# KiCad board OLD_PCB.kicad_pcb (continued)
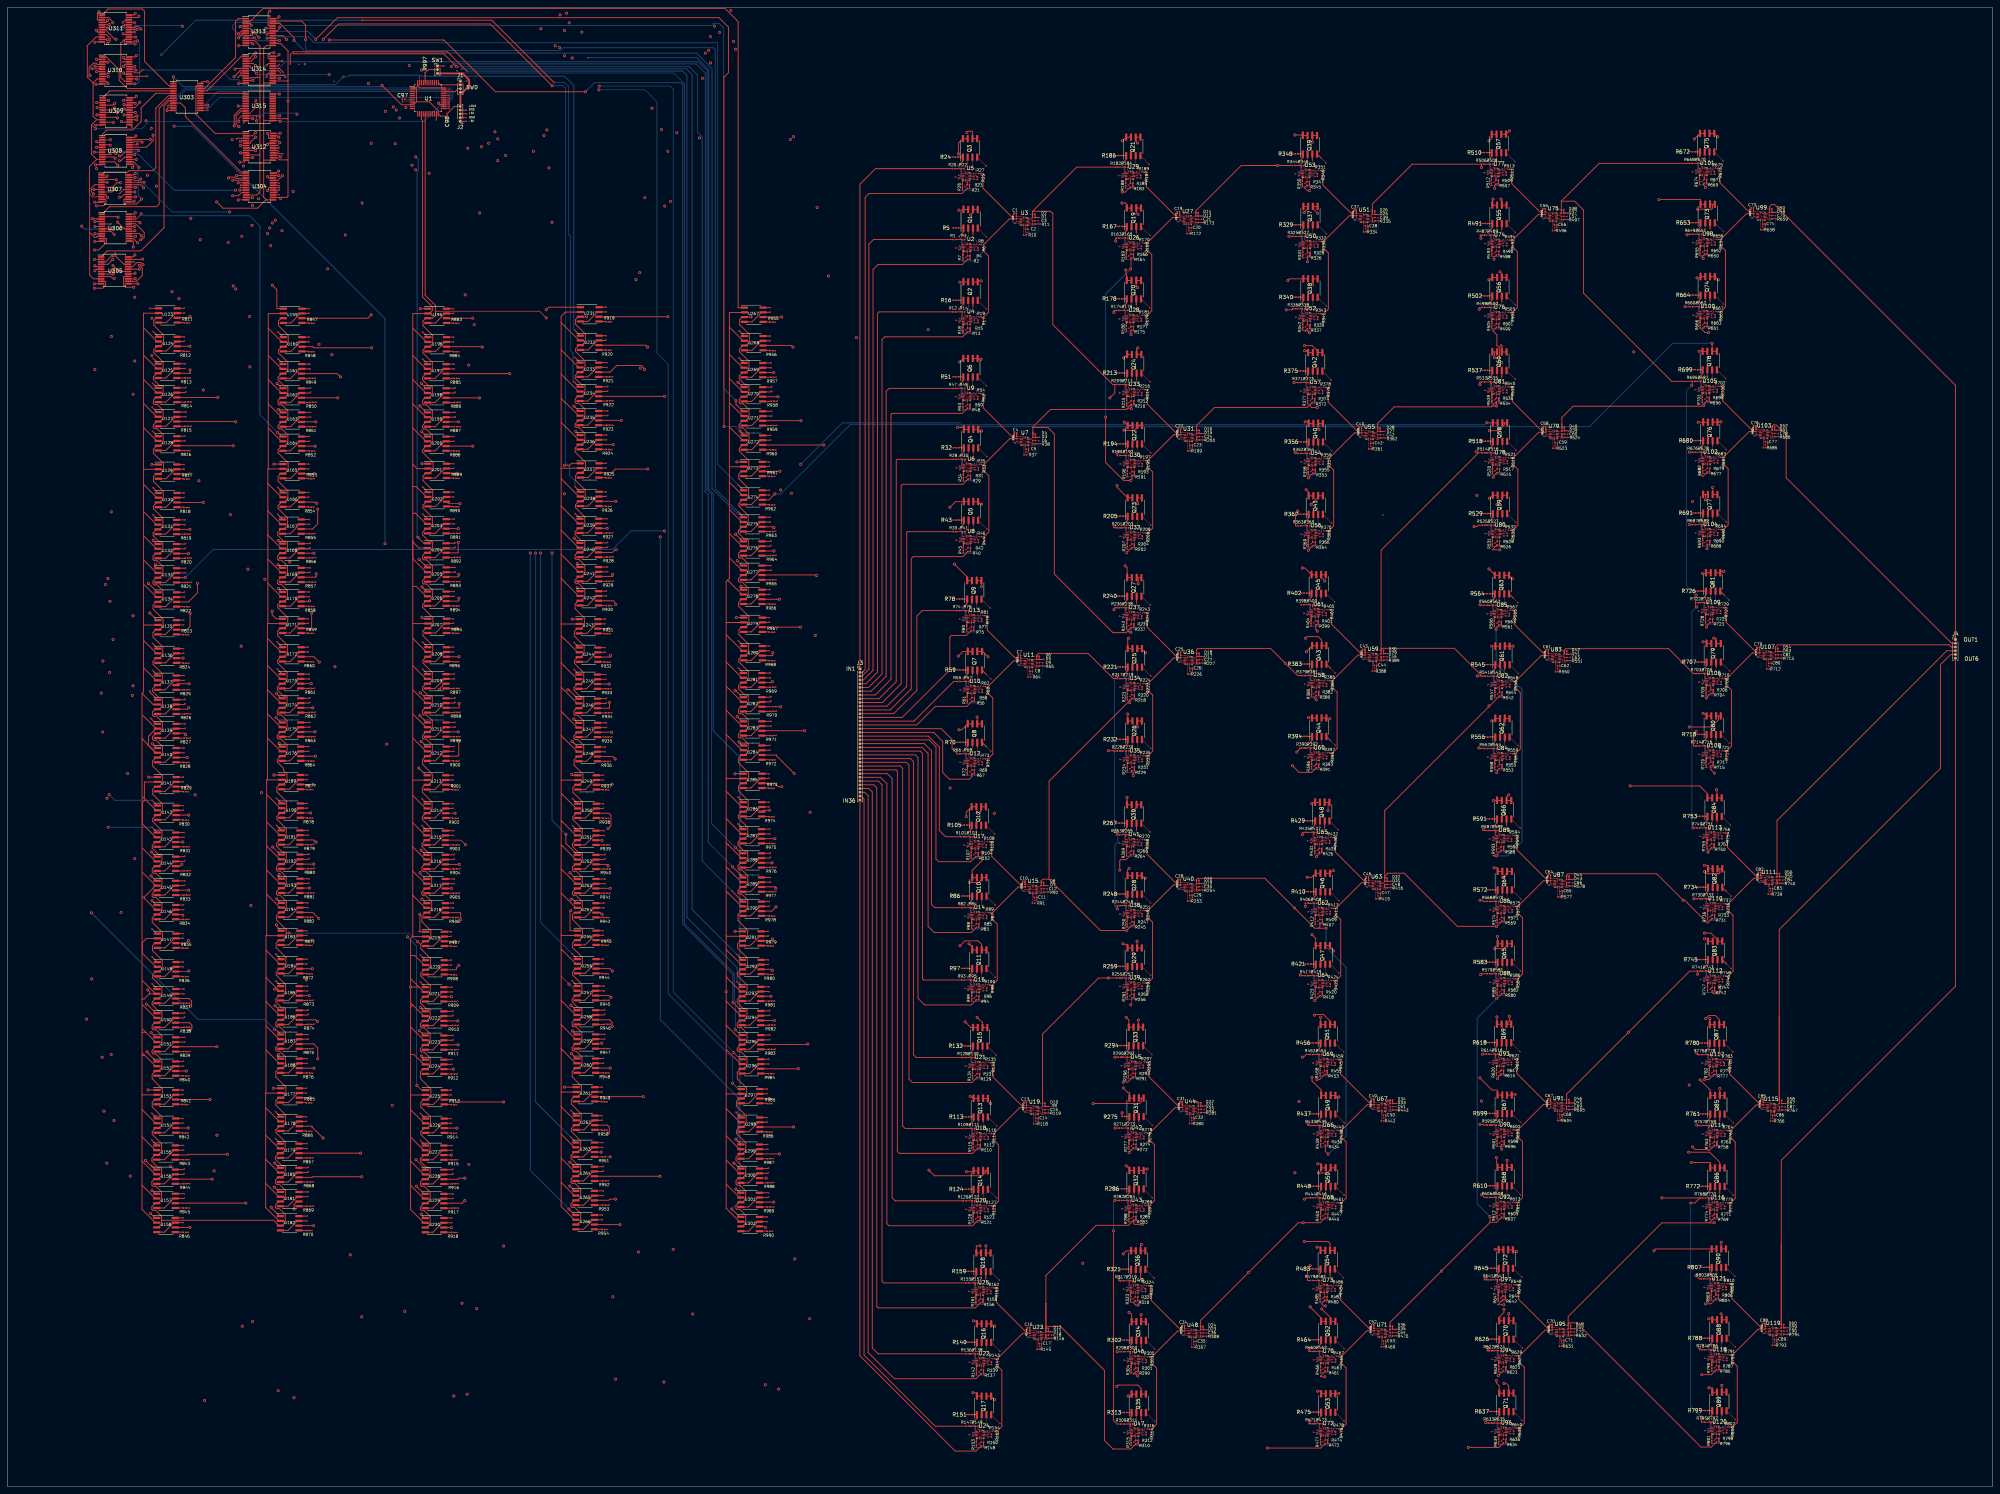
[diagram p0: board, top side]
## Routing (per net, layer and track width the routed paths; a pad name or vN(x,y) marks a point on that pad's centre or on a via; arc(x,y) is an arc through that point) (continued)
Net-(U40B--): length 3.5
  Top w0.1: 314.36,159.18 314.96,159.18 U40.6 315.11,156.38 315.15,156.34
  Top w0.25: 315.13,156.36 R253.1
Net-(U40C--): length 3.9
  Top w0.1: 315.79,156.34 316.32,156.88 316.32,157.87 316.26,157.92 U40.8
  Top w0.25: 316.01,156.56 R253.2 ; 316.32,157.37 C29.1
Net-(U40D-+): length 2.8
  Top w0.1: U40.11 317.29,160.38 C30.2 317.51,159.29
  Top w0.25: C30.2 317.51,159.72 317.51,159.72 ; 317.51,159.5 R254.1
Net-(U41A--): length 3.8
  Top w0.1: U41.1 298.59,173 298.59,174.07
  Top w0.25: 298.59,173.54 298.59,173.54 R265.1 ; 298.59,174.07 298.59,174.08 R263.2
Net-(U41B--): length 2.8
  Top w0.1: U41.6 299.02,170.97 U41.5
  Top w0.25: 298.78,170.41 298.78,171.02 298.85,171.09 298.88,171.09 ; 298.78,170.41 R269.1 298.78,170.41
Net-(U41C--): length 3.1
  Top w0.1: U41.8 300.77,169.85 R266.1
  Top w0.25: 300.68,169.27 300.68,169.03 ; 300.68,169.27 R266.1 300.68,169.27 ; 300.68,169.03 R264.2 ; 300.68,169.03 300.68,168.79
Net-(U41D--): length 3.8
  Top w0.1: v1(301.73,172.79) 301.66,172.72 U41.12 300.62,172.87 U41.13 ; 303.67,172.73 R270.1 303.62,172.78 v1(303.05,172.78)
  Bottom w0.1: v1(301.73,172.79) 301.74,172.78 v1(303.05,172.78)
Net-(U42A--): length 3.5
  Top w0.1: U42.1 299.22,94.65 299.22,95.73
  Top w0.25: 297.42,95.73 299.22,95.73 ; 299.22,95.53 R273.1
Net-(U42B--): length 2.8
  Top w0.1: U42.5 299.66,92.62 300.26,92.62
  Top w0.25: 299.51,92.74 299.48,92.74 299.42,92.68 299.42,92.06 ; 299.42,92.06 299.42,91.45 ; 299.42,92.06 299.42,92.06 R277.1
Net-(U42C--): length 2.4
  Top w0.1: U42.8 301.41,91.5 R274.1
  Top w0.25: R274.1 R272.2
Net-(U42D--): length 3.8
  Top w0.1: R278.1 304.25,94.43 v1(303.69,94.43) ; 300.66,94.52 301.26,94.52 U42.12 302.29,94.37 v1(302.36,94.44)
  Bottom w0.1: v1(302.36,94.44) 302.37,94.43 v1(303.69,94.43)
Net-(U43A--): length 3.5
  Top w0.1: R284.1 299.22,75.33 299.5,75.04
  Top w0.25: 297.41,76.4 299.22,76.4 R284.1 299.22,76.21
Net-(U43B--): length 2.8
  Top w0.1: U43.6 299.65,73.29 299.5,73.44
  Top w0.25: 299.5,73.42 299.48,73.42 299.41,73.35 299.41,72.74 ; 299.41,72.74 R288.1 299.41,72.74
Net-(U43C--): length 2.8
  Top w0.1: R285.1 301.4,72.18 301.4,73.44
  Top w0.25: 301.31,71.6 R283.2 301.31,71.6 ; 301.31,71.6 R285.1
Net-(U43D--): length 3.8
  Top w0.1: v1(303.68,75.11) 304.25,75.11 R289.1 ; U43.13 301.25,75.19 301.4,75.04 302.28,75.04 v1(302.36,75.12)
  Bottom w0.1: v1(303.68,75.11) 302.37,75.11 v1(302.36,75.12)
Net-(U44B-+): length 4.9
  Top w0.1: v1(313.29,100.11) 313.32,100.09 314.35,100.09 314.42,100.16 314.85,100.16
  Top w0.25: v1(312.78,102.16) 313.02,102.4 313.02,102.59 ; 313.02,102.59 C31.2 313.02,102.59
  Bottom w0.25: v1(313.29,100.11) 313.31,100.13 313.08,100.13 312.78,100.44 v1(312.78,102.16)
Net-(U44B--): length 3.5
  Top w0.1: 314.85,99.76 315.45,99.76 U44.6 315.6,96.96 R280.1
Net-(U44C--): length 3.6
  Top w0.1: 316.75,99.76 316.75,98.51 316.8,98.46 316.8,97.47 R280.2
  Top w0.25: C32.1 316.81,97.96 316.8,97.96
Net-(U44D-+): length 2.2
  Top w0.1: R281.1 C33.2 317.77,100.96 316.75,100.96
Net-(U45A--): length 4
  Top w0.1: 299.07,114.66 R292.1 299.07,113.59 U45.1
  Top w0.25: 297.98,114.66 R290.2 ; 297.98,114.66 299.07,114.66 299.07,114.66 ; 297.98,114.66 297.27,114.66
Net-(U45B--): length 2.2
  Top w0.1: 300.11,111.55 299.51,111.55 U45.5
  Top w0.25: R296.1 299.27,111.61 299.33,111.68 299.36,111.68
Net-(U45C--): length 2.8
  Top w0.1: 301.16,110.35 301.26,110.44 U45.8
  Top w0.25: R293.1 301.16,109.86 301.16,109.86 ; 301.16,109.86 301.16,109.38 ; 301.16,109.86 301.16,110.35
Net-(U45D--): length 3.8
  Top w0.1: v1(302.21,113.38) 302.14,113.3 U45.12 301.11,113.45 300.51,113.45 ; v1(303.53,113.37) 304.1,113.37 R297.1
  Bottom w0.1: v1(303.53,113.37) 302.22,113.37 v1(302.21,113.38)
Net-(U46A--): length 3.8
  Top w0.1: R300.1 299.83,34.92 U46.1
  Top w0.25: 299.83,35.46 R300.1 299.82,36 R298.2
Net-(U46B--): length 2.8
  Top w0.1: U46.5 300.26,32.89 U46.6
  Top w0.25: R304.1 300.02,32.34 300.02,32.34 ; 300.02,32.34 300.02,32.95 300.08,33.02 300.11,33.02 ; 300.02,32.34 300.02,31.72
Net-(U46C--): length 3.1
  Top w0.1: U46.8 302.01,31.78 301.91,31.68
  Top w0.25: 301.91,31.2 301.91,31.2 R301.1 ; 301.91,31.2 301.91,31.68 ; 301.91,31.2 301.91,30.96 ; 301.91,30.96 301.91,30.72 ; 301.91,30.96 301.91,30.96 R299.2
Net-(U46D--): length 3.8
  Top w0.1: U46.13 301.86,34.79 U46.12 302.89,34.64 v1(302.96,34.71) ; v1(304.29,34.7) 304.85,34.7 R305.1
  Top w0.25: 304.91,34.65 R305.1
  Bottom w0.1: v1(302.96,34.71) 302.98,34.7 v1(304.29,34.7)
Net-(U47A--): length 3.8
  Top w0.1: U47.1 299.82,15.6 R311.1
  Top w0.25: 299.82,16.14 R311.1 299.82,16.68 R309.2
Net-(U47B--): length 2.8
  Top w0.1: 300.85,13.56 300.25,13.56 U47.5
  Top w0.25: 300.01,13.01 R315.1 300.01,13.01 ; 300.01,13.01 300.01,13.62 300.08,13.69 300.1,13.69
Net-(U47C--): length 3.1
  Top w0.1: U47.8 302,12.45 R312.1
  Top w0.25: 301.91,11.63 R310.2 ; 301.91,11.63 301.91,11.87 ; 301.91,11.63 301.91,11.39 ; 301.91,11.87 R312.1 301.91,11.87
Net-(U47D--): length 3.8
  Top w0.1: v1(304.28,15.38) 304.85,15.38 R316.1 ; v1(302.96,15.39) 302.89,15.31 U47.12 301.85,15.47 301.25,15.47
  Bottom w0.1: v1(304.28,15.38) 302.97,15.38 v1(302.96,15.39)
Net-(U48B-+): length 4.9
  Top w0.1: v1(313.89,40.39) 313.92,40.36 314.95,40.36 315.03,40.44 315.45,40.44
  Top w0.25: v1(313.38,42.44) 313.62,42.67 313.62,42.86 ; 313.62,42.86 C34.2 313.62,42.86
  Bottom w0.25: v1(313.38,42.44) 313.38,40.71 313.68,40.4 313.91,40.4 v1(313.89,40.39)
Net-(U48B--): length 3.5
  Top w0.1: 315.45,40.04 316.05,40.04 U48.6 316.2,37.24 R307.1
Net-(U48C--): length 3.1
  Top w0.1: 317.35,40.04 317.35,38.78 C35.1 317.41,37.74 R307.2
  Top w0.25: 317.38,38.76 C35.1
Net-(U48D-+): length 2.2
  Top w0.1: R308.1 C36.2 318.37,41.24 317.35,41.24
Net-(U49A--): length 3.3
  Top w0.1: R319.1 299.68,53.86 U49.1
  Top w0.25: 297.87,54.94 R319.1
Net-(U49B--): length 2.8
  Top w0.1: U49.5 300.11,51.83 300.71,51.83
  Top w0.25: 299.87,51.27 299.87,51.27 R323.1 ; 299.87,51.27 299.87,51.89 299.94,51.95 299.96,51.95 ; 299.87,51.27 299.87,50.66
Net-(U49C--): length 2.4
  Top w0.1: 301.76,50.62 301.86,50.71 U49.8
  Top w0.25: 301.81,50.67 R320.1 ; 301.76,50.62 R318.2
Net-(U49D--): length 3.8
  Top w0.1: R324.1 304.7,53.64 v1(304.14,53.64) ; 301.11,53.73 301.71,53.73 U49.12 302.74,53.58 v1(302.82,53.65)
  Top w0.25: 304.73,53.61 R324.1
  Bottom w0.1: v1(302.82,53.65) 302.83,53.64 v1(304.14,53.64)
Net-(U50A--): length 3.3
  Top w0.1: R327.1 345.67,332.79 U50.1
  Top w0.25: R325.2 345.67,333.86 R327.1
Net-(U50B--): length 2.2
  Top w0.1: U50.5 346.11,330.75 346.71,330.75
  Top w0.25: R331.1 345.87,330.81 345.93,330.88 345.96,330.88
Net-(U50C--): length 3.1
  Top w0.1: 347.76,329.54 347.86,329.64 U50.8
  Top w0.25: R326.2 347.76,329.06 347.76,329.06 ; R328.1 347.76,329.3 347.76,329.3 ; 347.76,329.3 347.76,329.06 ; 347.76,329.3 347.76,329.54 ; 347.76,329.06 347.76,328.58
Net-(U50D--): length 3.8
  Top w0.1: v1(348.81,332.58) 348.74,332.5 U50.12 347.71,332.65 U50.13 ; v1(350.13,332.57) 350.7,332.57 R332.1
  Bottom w0.1: v1(348.81,332.58) 348.82,332.57 v1(350.13,332.57)
Net-(U51B-+): length 4.9
  Top w0.1: U51.4 360.88,338.3 360.8,338.22 359.77,338.22 v1(359.74,338.25)
  Top w0.25: 359.47,340.72 359.47,340.54 v1(359.23,340.3) ; 359.47,340.72 C37.2 359.47,340.72
  Bottom w0.25: v1(359.23,340.3) 359.23,338.57 359.53,338.27 359.76,338.27 v1(359.74,338.25)
Net-(U51B--): length 3.5
  Top w0.1: R334.1 362.05,335.1 U51.6 361.9,337.9 U51.5
  Top w0.25: 362.07,335.08 R334.1
Net-(U51C--): length 3.9
  Top w0.1: R334.2 362.94,335.29 363.26,335.6 C38.1 363.2,336.65 U51.8
  Top w0.25: 362.94,335.29 R334.2 ; 363.26,336.1 C38.1
Net-(U51D-+): length 2.8
  Top w0.1: R335.1 C39.2 364.22,339.1 U51.11
  Top w0.25: 364.44,338.66 C39.2 ; 364.44,338.45 R335.1
Net-(U52A--): length 3.3
  Top w0.1: R338.1 345.67,313.46 U52.1
  Top w0.25: R338.1 345.67,314.54 R336.2
Net-(U52B--): length 2.2
  Top w0.1: U52.5 346.1,311.43 U52.6
  Top w0.25: R342.1 345.86,311.49 345.93,311.55 345.95,311.55
Net-(U52C--): length 3.1
  Top w0.1: R339.1 347.85,310.32 U52.8
  Top w0.25: 347.76,309.74 R337.2 347.76,309.74 347.76,309.74 ; 347.76,309.74 347.76,309.98 ; 347.76,309.98 R339.1 347.76,309.98
Net-(U52D--): length 3.8
  Top w0.1: U52.13 347.7,313.33 U52.12 348.73,313.18 v1(348.81,313.25) ; v1(350.13,313.24) 350.7,313.24 R343.1
  Bottom w0.1: v1(348.81,313.25) 348.82,313.24 v1(350.13,313.24)
Net-(U53A--): length 3.8
  Top w0.1: R346.1 345.53,351.72 U53.1
  Top w0.25: R344.2 345.52,352.8 R346.1 345.53,352.26
Net-(U53B--): length 3
  Top w0.1: U53.5 345.96,349.69 U53.6
  Top w0.25: 345.72,349.75 345.73,349.74 345.91,349.74 ; 345.72,349.75 345.72,349.75 345.72,349.14 ; 345.72,349.75 345.78,349.82 345.81,349.82 ; 345.72,349.14 345.72,349.13 R350.1 ; 345.72,349.14 345.72,348.52
Net-(U53C--): length 3.1
  Top w0.1: 347.61,348.48 347.71,348.58 U53.8
  Top w0.25: 347.61,348.24 347.61,348 ; 347.61,348.24 347.61,348.24 R347.1 ; 347.61,348.24 347.61,348.48 ; 347.61,348 347.61,347.52 ; 347.61,348 347.61,348 R345.2
Net-(U53D--): length 3.8
  Top w0.1: U53.13 347.56,351.59 U53.12 348.59,351.44 v1(348.66,351.51) ; R351.1 350.55,351.5 v1(349.99,351.5)
  Top w0.25: 350.58,351.48 R351.1
  Bottom w0.1: v1(349.99,351.5) 348.68,351.5 v1(348.66,351.51)
Net-(U54A--): length 3.3
  Top w0.1: 347.09,275.9 347.09,274.83 U54.1
  Top w0.25: R352.2 347.09,275.9
Net-(U54B--): length 2.8
  Top w0.1: U54.6 347.52,272.79 U54.5
  Top w0.25: 347.28,272.24 347.28,272.85 347.35,272.92 347.37,272.92 ; 347.28,272.24 347.28,271.62 ; 347.28,272.24 R358.1
Net-(U54C--): length 2.8
  Top w0.1: U54.8 349.27,271.68 349.18,271.58
  Top w0.25: R355.1 349.18,271.1 349.18,271.1 ; 349.18,271.1 349.18,271.58 ; 349.18,271.1 349.18,270.62
Net-(U54D--): length 3.8
  Top w0.1: v1(350.23,274.62) 350.15,274.54 U54.12 349.12,274.69 348.52,274.69 ; v1(351.55,274.61) 352.12,274.61 352.17,274.55
  Bottom w0.1: v1(351.55,274.61) 350.24,274.61 v1(350.23,274.62)
Net-(U55B-+): length 4.9
  Top w0.1: v1(361.16,280.29) 361.18,280.26 362.21,280.26 362.29,280.34 362.71,280.34
  Top w0.25: v1(360.64,282.34) 360.88,282.58 360.88,282.76 ; 360.88,282.76 360.88,282.76 C40.2 360.88,282.76
  Bottom w0.25: v1(360.64,282.34) 360.64,280.61 360.95,280.31 361.18,280.31 v1(361.16,280.29)
Net-(U55B--): length 3.5
  Top w0.1: R361.1 363.46,277.14 U55.6 363.31,279.94 362.71,279.94
  Top w0.25: 363.48,277.12 R361.1
Net-(U55C--): length 3.4
  Top w0.1: R361.2 364.67,277.64 C41.1 364.61,278.69 364.61,279.94
  Top w0.25: 364.35,277.32 R361.2 ; 364.64,278.66 C41.1
Net-(U55D-+): length 2.2
  Top w0.1: R362.1 C42.2 365.64,281.14 364.61,281.14
Net-(U56A--): length 3.3
  Top w0.1: R365.1 347.08,255.5 U56.1
  Top w0.25: R365.1 R363.2
Net-(U56B--): length 2.8
  Top w0.1: U56.6 347.52,253.47 U56.5
  Top w0.25: 347.37,253.59 347.34,253.59 347.28,253.53 347.28,252.91 ; 347.28,252.3 347.28,252.91 ; 347.28,252.91 347.28,252.91 R369.1
Net-(U56C--): length 2.4
  Top w0.1: R366.1 349.27,252.35 U56.8
  Top w0.25: R366.1 R364.2
Net-(U56D--): length 3.8
  Top w0.1: R370.1 352.11,255.28 v1(351.54,255.28) ; v1(350.22,255.29) 350.15,255.22 U56.12 349.12,255.37 348.52,255.37
  Bottom w0.1: v1(350.22,255.29) 350.23,255.28 v1(351.54,255.28)
Net-(U57A--): length 3.3
  Top w0.1: 347.22,293.48 346.94,293.76 R373.1
  Top w0.25: R373.1 345.13,294.84 R371.2
Net-(U57B--): length 2.2
  Top w0.1: U57.6 347.37,291.73 347.22,291.88
  Top w0.25: 347.22,291.85 347.2,291.85 347.13,291.79 R377.1
Net-(U57C--): length 2.9
  Top w0.1: 349.12,291.88 349.12,290.62 R374.1
  Top w0.25: 349.03,290.04 R374.1 349.08,290.57 ; 349.03,290.04 R372.2 349.03,290.04
Net-(U57D--): length 3.8
  Top w0.1: U57.13 348.97,293.63 349.12,293.48 350,293.48 v1(350.08,293.55) ; R378.1 351.97,293.54 v1(351.4,293.54)
  Bottom w0.1: v1(350.08,293.55) 350.09,293.54 v1(351.4,293.54)
Net-(U58A--): length 4
  Top w0.1: U58.1 348.01,215.49 R381.1
  Top w0.25: 346.91,216.56 R379.2 346.91,216.56 ; 346.91,216.56 348.01,216.56 R381.1
Net-(U58B--): length 2.2
  Top w0.1: U58.5 348.45,213.45 U58.6
  Top w0.25: R385.1 348.2,213.51 348.27,213.58 348.3,213.58
Net-(U58C--): length 3.1
  Top w0.1: U58.8 350.2,212.34 350.1,212.24
  Top w0.25: 350.1,212 350.1,211.76 ; 350.1,212 R382.1 ; 350.1,212 350.1,212.24 ; 350.1,211.76 350.1,211.28 ; 350.1,211.76 R380.2
Net-(U58D--): length 3.8
  Top w0.1: R386.1 353.04,215.27 v1(352.47,215.27) ; U58.13 350.05,215.35 U58.12 351.08,215.2 v1(351.15,215.28)
  Top w0.25: 353.07,215.24 R386.1
  Bottom w0.1: v1(351.15,215.28) 351.16,215.27 v1(352.47,215.27)
Net-(U59B-+): length 4.9
  Top w0.1: v1(362.08,220.95) 362.11,220.92 363.14,220.92 363.21,221 U59.4
  Top w0.25: 361.8,223.42 C43.2 361.8,223.42 ; 361.8,223.42 361.8,223.24 v1(361.57,223)
  Bottom w0.25: v1(362.08,220.95) 362.1,220.97 361.87,220.97 361.57,221.27 v1(361.57,223)
Net-(U59B--): length 3.5
  Top w0.1: U59.5 364.24,220.6 U59.6 364.39,217.8 R388.1
Net-(U59C--): length 3.9
  Top w0.1: R388.2 365.59,218.3 C44.1 365.54,219.35 U59.8
  Top w0.25: 365.59,218.79 C44.1 ; 365.28,217.98 R388.2
Net-(U59D-+): length 2.8
  Top w0.1: R389.1 C45.2 366.56,221.8 U59.11
  Top w0.25: 366.78,220.93 R389.1 ; 366.78,221.14 C45.2
Net-(U60A--): length 4
  Top w0.1: U60.1 348.01,196.16 R392.1
  Top w0.25: 346.2,197.24 346.91,197.24 ; 346.91,197.24 348.01,197.24 R392.1 ; 346.91,197.24 R390.2
Net-(U60B--): length 2.2
  Top w0.1: U60.5 348.44,194.13 349.04,194.13
  Top w0.25: 348.29,194.25 348.27,194.25 348.2,194.19 R396.1
Net-(U60C--): length 3.1
  Top w0.1: 350.09,192.92 350.19,193.01 U60.8
  Top w0.25: 350.09,192.92 350.09,192.44 ; 350.09,192.44 350.09,192.19 ; 350.09,192.44 350.09,192.44 R393.1 ; 350.09,192.19 350.09,191.95 ; 350.09,192.19 350.09,192.19 R391.2
Net-(U60D--): length 3.8
  Top w0.1: 353.09,195.89 353.04,195.94 v1(352.47,195.94) ; v1(351.15,195.95) 351.07,195.88 U60.12 350.04,196.03 349.44,196.03
  Top w0.25: 353.06,195.91 R397.1
  Bottom w0.1: v1(351.15,195.95) 351.16,195.94 v1(352.47,195.94)
Net-(U61A--): length 3.5
  Top w0.1: U61.1 347.86,234.42 347.86,235.5
  Top w0.25: 347.86,235.5 347.86,235.5 R398.2 ; 347.86,235.5 347.86,235.3 ; 347.86,235.5 R400.1
Net-(U61B--): length 2.8
  Top w0.1: U61.6 348.3,232.39 U61.5
  Top w0.25: 348.06,231.83 R404.1 348.06,231.83 ; 348.06,231.83 348.06,232.45 348.12,232.51 348.15,232.51
Net-(U61C--): length 2.8
  Top w0.1: U61.8 350.05,231.28 349.95,231.18
  Top w0.25: 349.95,230.7 R401.1 ; 349.95,230.7 349.95,231.18 ; 349.95,230.7 R399.2
Net-(U61D--): length 3.8
  Top w0.1: 352.94,234.15 352.89,234.2 v1(352.32,234.2) ; v1(351,234.21) 350.93,234.14 U61.12 349.9,234.29 U61.13
  Bottom w0.1: v1(351,234.21) 351.01,234.2 v1(352.32,234.2)
Net-(U62A--): length 4
  Top w0.1: 348.97,155.76 R408.1 348.97,154.69 U62.1
  Top w0.25: 347.17,155.76 347.88,155.76 ; 347.88,155.76 R406.2 ; 347.88,155.76 348.97,155.76 348.97,155.76
Net-(U62B--): length 2.2
  Top w0.1: U62.5 349.41,152.65 350.01,152.65
  Top w0.25: R412.1 349.17,152.71 349.23,152.78 349.26,152.78
Net-(U62C--): length 2.8
  Top w0.1: 351.06,151.45 351.16,151.54 U62.8
  Top w0.25: 351.06,150.96 351.06,150.48 ; 351.06,150.96 351.06,151.45 ; 351.06,150.96 351.06,150.96 R409.1
Net-(U62D--): length 3.8
  Top w0.1: R413.1 354,154.47 v1(353.44,154.47) ; 350.41,154.55 351.01,154.55 U62.12 352.04,154.4 v1(352.11,154.48)
  Bottom w0.1: v1(352.11,154.48) 352.12,154.47 v1(353.44,154.47)
Net-(U63B-+): length 4.9
  Top w0.1: U63.4 364.18,160.2 364.1,160.13 363.07,160.13 v1(363.04,160.15)
  Top w0.25: 362.77,162.62 C46.2 362.77,162.62 ; 362.77,162.62 362.77,162.44 v1(362.53,162.2)
  Bottom w0.25: v1(363.04,160.15) 363.06,160.17 362.83,160.17 362.53,160.47 v1(362.53,162.2)
Net-(U63B--): length 3.5
  Top w0.1: U63.5 365.2,159.8 U63.6 365.35,157 R415.1
  Top w0.25: 365.37,156.98 R415.1
Net-(U63C--): length 3.9
  Top w0.1: U63.8 366.5,158.55 C47.1 366.56,157.5 R415.2
  Top w0.25: 366.56,158 C47.1 ; 366.24,157.19 R415.2
Net-(U63D-+): length 2.8
  Top w0.1: U63.11 367.52,161 C48.2 R416.1
  Top w0.25: 367.74,160.35 C48.2 ; 367.74,160.13 R416.1
Net-(U64A--): length 4
  Top w0.1: R419.1 348.97,135.36 349.25,135.08
  Top w0.25: R419.1 348.97,136.44 347.87,136.44 ; 347.87,136.44 347.87,136.44 R417.2 ; 347.87,136.44 347.16,136.44
Net-(U64B--): length 2.2
  Top w0.1: 349.25,133.48 349.4,133.33 U64.6
  Top w0.25: R423.1 349.16,133.39 349.23,133.45 349.25,133.45
Net-(U64C--): length 2.8
  Top w0.1: 351.15,133.48 351.15,132.22 R420.1
  Top w0.25: 351.06,131.64 R420.1 351.06,131.64 ; 351.06,131.64 351.06,131.16
Net-(U64D--): length 3.8
  Top w0.1: v1(352.11,135.15) 352.03,135.08 351.15,135.08 351,135.23 U64.13 ; v1(353.43,135.14) 354,135.14 R424.1
  Bottom w0.1: v1(353.43,135.14) 352.12,135.14 v1(352.11,135.15)
Net-(U65A--): length 3.8
  Top w0.1: R427.1 348.83,173.62 U65.1
  Top w0.25: R425.2 348.82,174.7 R427.1 348.83,174.16
Net-(U65B--): length 2.8
  Top w0.1: U65.6 349.26,171.59 U65.5
  Top w0.25: 349.02,170.42 349.02,171.04 ; 349.02,171.04 349.02,171.65 349.08,171.72 349.11,171.72 ; 349.02,171.04 349.02,171.04 R431.1
Net-(U65C--): length 3.1
  Top w0.1: U65.8 351.01,170.48 350.91,170.38
  Top w0.25: 350.91,169.66 350.91,169.42 ; 350.91,169.66 350.91,169.9 ; 350.91,169.66 350.91,169.66 R426.2 ; 350.91,169.9 350.91,170.38 ; 350.91,169.9 350.91,169.9 R428.1
Net-(U65D--): length 3.8
  Top w0.1: v1(353.29,173.4) 353.85,173.4 R432.1 ; U65.13 350.86,173.49 U65.12 351.89,173.34 v1(351.96,173.41)
  Top w0.25: 353.91,173.35 R432.1
  Bottom w0.1: v1(353.29,173.4) 351.98,173.4 v1(351.96,173.41)
Net-(U66A--): length 3.8
  Top w0.1: 350.42,96.43 350.42,95.35 U66.1
  Top w0.25: 348.62,96.43 350.42,96.43 ; 350.42,95.94 R435.1
Net-(U66B--): length 2.8
  Top w0.1: U66.5 350.86,93.32 351.46,93.32
  Top w0.25: 350.62,92.76 350.62,92.76 R439.1 ; 350.62,92.76 350.62,93.38 350.68,93.44 350.71,93.44 ; 350.62,92.76 350.62,92.15
Net-(U66C--): length 2.8
  Top w0.1: R436.1 352.61,92.21 U66.8
  Top w0.25: 352.51,91.63 R434.2 ; 352.51,91.63 R436.1 352.51,91.63
Net-(U66D--): length 3.8
  Top w0.1: v1(354.88,95.13) 355.45,95.13 R440.1 ; 351.86,95.22 352.46,95.22 U66.12 353.49,95.07 v1(353.56,95.14)
  Bottom w0.1: v1(354.88,95.13) 353.57,95.13 v1(353.56,95.14)
Net-(U67B-+): length 4.9
  Top w0.1: 366.05,100.86 365.62,100.86 365.55,100.79 364.52,100.79 v1(364.49,100.81)
  Top w0.25: v1(363.98,102.86) 364.22,103.1 364.22,103.29 ; 364.22,103.29 C49.2 364.22,103.29
  Bottom w0.25: v1(364.49,100.81) 364.51,100.83 364.28,100.83 363.98,101.14 v1(363.98,102.86)
Net-(U67B--): length 3.5
  Top w0.1: R442.1 366.8,97.66 U67.6 366.65,100.46 366.05,100.46
Net-(U67C--): length 3.6
  Top w0.1: 367.95,100.46 367.95,99.21 368,99.16 368,98.17 R442.2
  Top w0.25: 368,98.66 368.01,98.66 C50.1
Net-(U67D-+): length 2.2
  Top w0.1: 367.95,101.66 368.97,101.66 C51.2 R443.1
Net-(U68A--): length 3.5
  Top w0.1: R446.1 350.42,76.03 350.7,75.74
  Top w0.25: 348.61,77.1 350.42,77.1 R446.1 350.42,76.91
Net-(U68B--): length 2.8
  Top w0.1: 350.7,74.14 350.85,73.99 U68.6
  Top w0.25: 350.61,73.44 R450.1 350.61,73.44 ; 350.61,73.44 350.61,74.05 350.68,74.12 350.7,74.12
Net-(U68C--): length 2.4
  Top w0.1: R447.1 352.6,72.88 352.6,74.14
  Top w0.25: R447.1 R445.2
Net-(U68D--): length 3.8
  Top w0.1: v1(354.88,75.81) 355.45,75.81 R451.1 ; U68.13 352.45,75.89 352.6,75.74 353.48,75.74 v1(353.56,75.82)
  Bottom w0.1: v1(354.88,75.81) 353.57,75.81 v1(353.56,75.82)
Net-(U69A--): length 4
  Top w0.1: 350.27,115.36 R454.1 350.27,114.29 U69.1
  Top w0.25: 349.18,115.36 R452.2 ; 349.18,115.36 348.47,115.36 ; 349.18,115.36 350.27,115.36 350.27,115.36
Net-(U69B--): length 2.2
  Top w0.1: U69.5 350.71,112.25 351.31,112.25
  Top w0.25: R458.1 350.47,112.31 350.53,112.38 350.56,112.38
Net-(U69C--): length 2.8
  Top w0.1: 352.36,111.05 352.46,111.14 U69.8
  Top w0.25: 352.36,110.56 352.36,110.56 R455.1 ; 352.36,110.56 352.36,110.08 ; 352.36,110.56 352.36,111.05
Net-(U69D--): length 3.8
  Top w0.1: 351.71,114.15 352.31,114.15 U69.12 353.34,114 v1(353.41,114.08) ; v1(354.73,114.07) 355.3,114.07 R459.1
  Bottom w0.1: v1(354.73,114.07) 353.42,114.07 v1(353.41,114.08)
Net-(U70A--): length 4
  Top w0.1: 350.69,34.74 350.41,35.02 R462.1
  Top w0.25: 349.31,36.1 350.41,36.1 R462.1 ; 349.31,36.1 349.31,36.09 R460.2 ; 349.31,36.1 348.6,36.1
Net-(U70B--): length 2.2
  Top w0.1: 350.69,33.14 350.84,32.99 U70.6
  Top w0.25: 350.69,33.11 350.67,33.11 350.6,33.04 R466.1
Net-(U70C--): length 2.8
  Top w0.1: R463.1 352.59,31.87 352.59,33.14
  Top w0.25: 352.5,31.29 R463.1 352.5,31.29 ; 352.5,31.29 352.5,30.81
Net-(U70D--): length 3.8
  Top w0.1: v1(353.55,34.81) 353.47,34.74 352.59,34.74 352.44,34.89 U70.13 ; v1(354.87,34.8) 355.44,34.8 R467.1
  Bottom w0.1: v1(353.55,34.81) 353.56,34.8 v1(354.87,34.8)
Net-(U71B-+): length 4.9
  Top w0.1: v1(364.48,40.48) 364.5,40.46 365.53,40.46 365.61,40.53 U71.4
  Top w0.25: 364.2,42.95 364.2,42.95 C52.2 ; 364.2,42.95 364.2,43.14 ; 364.2,42.95 364.2,42.77 v1(363.96,42.53)
  Bottom w0.25: v1(363.96,42.53) 363.96,40.8 364.27,40.5 364.5,40.5 v1(364.48,40.48)
Net-(U71B--): length 3.5
  Top w0.1: U71.5 366.63,40.13 366.78,39.98 366.78,37.33 366.82,37.3
Net-(U71C--): length 3.6
  Top w0.1: 367.46,37.3 367.99,37.83 367.99,38.82 367.94,38.88 367.94,40.13
  Top w0.25: C53.1 367.99,38.33 367.99,38.33
Net-(U71D-+): length 2.2
  Top w0.1: 369.18,40.25 C54.2 368.96,41.33 367.94,41.33
Net-(U72A--): length 4
  Top w0.1: 350.69,15.41 350.4,15.69 R473.1
  Top w0.25: R473.1 350.4,16.77 349.31,16.77 ; 349.31,16.77 R471.2 349.31,16.77
Net-(U72B--): length 2.2
  Top w0.1: 350.69,13.81 350.84,13.66 U72.6
  Top w0.25: R477.1 350.6,13.72 350.66,13.79 350.69,13.79
Net-(U72C--): length 2.8
  Top w0.1: 352.49,12.45 352.59,12.55 352.59,13.81
  Top w0.25: 352.49,11.97 R472.2 ; 352.49,11.97 352.49,12.45 ; 352.49,11.97 R474.1
Net-(U72D--): length 3.8
  Top w0.1: v1(353.54,15.48) 353.47,15.41 352.59,15.41 352.44,15.56 U72.13 ; v1(354.86,15.47) 355.43,15.47 355.48,15.42
  Bottom w0.1: v1(354.86,15.47) 353.55,15.47 v1(353.54,15.48)
Net-(U73A--): length 3.3
  Top w0.1: 350.54,53.67 350.26,53.96 R481.1
  Top w0.25: R481.1 350.26,55.03 R479.2
Net-(U73B--): length 2.8
  Top w0.1: 351.29,51.92 350.69,51.92 350.54,52.07
  Top w0.25: 350.45,51.37 R485.1 350.45,51.37 ; 350.45,51.37 350.45,51.98 350.52,52.05 350.54,52.05
Net-(U73C--): length 2.4
  Top w0.1: R482.1 352.44,50.81 U73.8
  Top w0.25: R482.1 352.35,49.75
Net-(U73D--): length 3.8
  Top w0.1: R486.1 355.29,53.74 v1(354.72,53.74) ; v1(353.4,53.75) 353.33,53.67 U73.12 352.29,53.82 351.69,53.82
  Bottom w0.1: v1(354.72,53.74) 353.41,53.74 v1(353.4,53.75)
Net-(U74A--): length 3.3
  Top w0.1: 396.13,334.21 396.13,333.13 U74.1
  Top w0.25: 396.13,334.21 396.13,334.21 R487.2
Net-(U74B--): length 2.8
  Top w0.1: U74.5 396.56,331.1 U74.6
  Top w0.25: 396.32,330.54 396.32,331.16 396.39,331.22 396.41,331.22 ; 396.32,330.54 396.32,329.93 396.32,330.54
Net-(U74C--): length 2.4
  Top w0.1: 398.22,329.89 398.31,329.99 U74.8
  Top w0.25: 398.22,329.89 398.22,328.93
Net-(U74D--): length 3.8
  Top w0.1: U74.13 398.16,333 U74.12 399.19,332.85 v1(399.27,332.92) ; 401.21,332.86 401.16,332.91 v1(400.59,332.91)
  Bottom w0.1: v1(400.59,332.91) 399.28,332.91 v1(399.27,332.92)
Net-(U75B-+): length 4.7
  Top w0.1: U75.4 411.33,338.65 411.25,338.57 410.22,338.57 v1(410.2,338.6)
  Top w0.25: v1(409.68,340.65) 409.92,340.88 C55.2
  Bottom w0.25: v1(409.68,340.65) 409.68,338.92 409.99,338.61 410.22,338.61 v1(410.2,338.6)
Net-(U75B--): length 3.5
  Top w0.1: R496.1 412.5,335.45 U75.6 412.35,338.25 U75.5
  Top w0.25: 412.52,335.43 R496.1
Net-(U75C--): length 3.9
  Top w0.1: U75.8 413.65,336.99 C56.1 413.71,335.95 413.39,335.62 R496.2
  Top w0.25: 413.39,335.62 R496.2 ; 413.71,336.44 C56.1
Net-(U75D-+): length 2.2
  Top w0.1: R497.1 C57.2 414.68,339.45 U75.11
Net-(U76A--): length 3.3
  Top w0.1: R500.1 396.12,313.81 U76.1
  Top w0.25: R498.2 R500.1
Net-(U76B--): length 2.8
  Top w0.1: U76.6 396.56,311.77 U76.5
  Top w0.25: 396.41,311.9 396.38,311.9 396.32,311.83 396.32,311.22 ; 396.32,310.61 396.32,311.22 ; 396.32,311.22 396.32,311.22 R504.1
Net-(U76C--): length 2.4
  Top w0.1: R501.1 398.31,310.66 U76.8
  Top w0.25: R501.1 R499.2
Net-(U76D--): length 3.8
  Top w0.1: 397.56,313.67 398.16,313.67 U76.12 399.19,313.52 v1(399.26,313.6) ; v1(400.58,313.59) 401.15,313.59 R505.1
  Bottom w0.1: v1(400.58,313.59) 399.27,313.59 v1(399.26,313.6)
Net-(U77A--): length 3.3
  Top w0.1: U77.1 395.98,352.07 R508.1
  Top w0.25: R508.1 395.98,353.15 R506.2
Net-(U77B--): length 2.2
  Top w0.1: U77.5 396.41,350.04 U77.6
  Top w0.25: R512.1 396.17,350.09 396.24,350.16 396.26,350.16
Net-(U77C--): length 3.1
  Top w0.1: R509.1 398.16,348.92 U77.8
  Top w0.25: 398.07,348.59 R509.1 398.07,348.59 ; 398.07,348.59 398.07,348.34 ; 398.07,348.34 R507.2 398.07,348.34
Net-(U77D--): length 3.8
  Top w0.1: v1(400.44,351.85) 401.01,351.85 R513.1 ; U77.13 398.01,351.94 U77.12 399.04,351.79 v1(399.12,351.86)
  Bottom w0.1: v1(400.44,351.85) 399.13,351.85 v1(399.12,351.86)
Net-(U78A--): length 4
  Top w0.1: U78.1 396.27,274.99 R516.1 396.27,276.06
  Top w0.25: 395.18,276.06 R514.2 ; 395.18,276.06 396.27,276.06 396.27,276.06 ; 395.18,276.06 394.47,276.06
